# KiCad board output.Panel_R0.5.1_300x300_2layer_step1_Modified_1and5_only.kicad_pcb (continued)
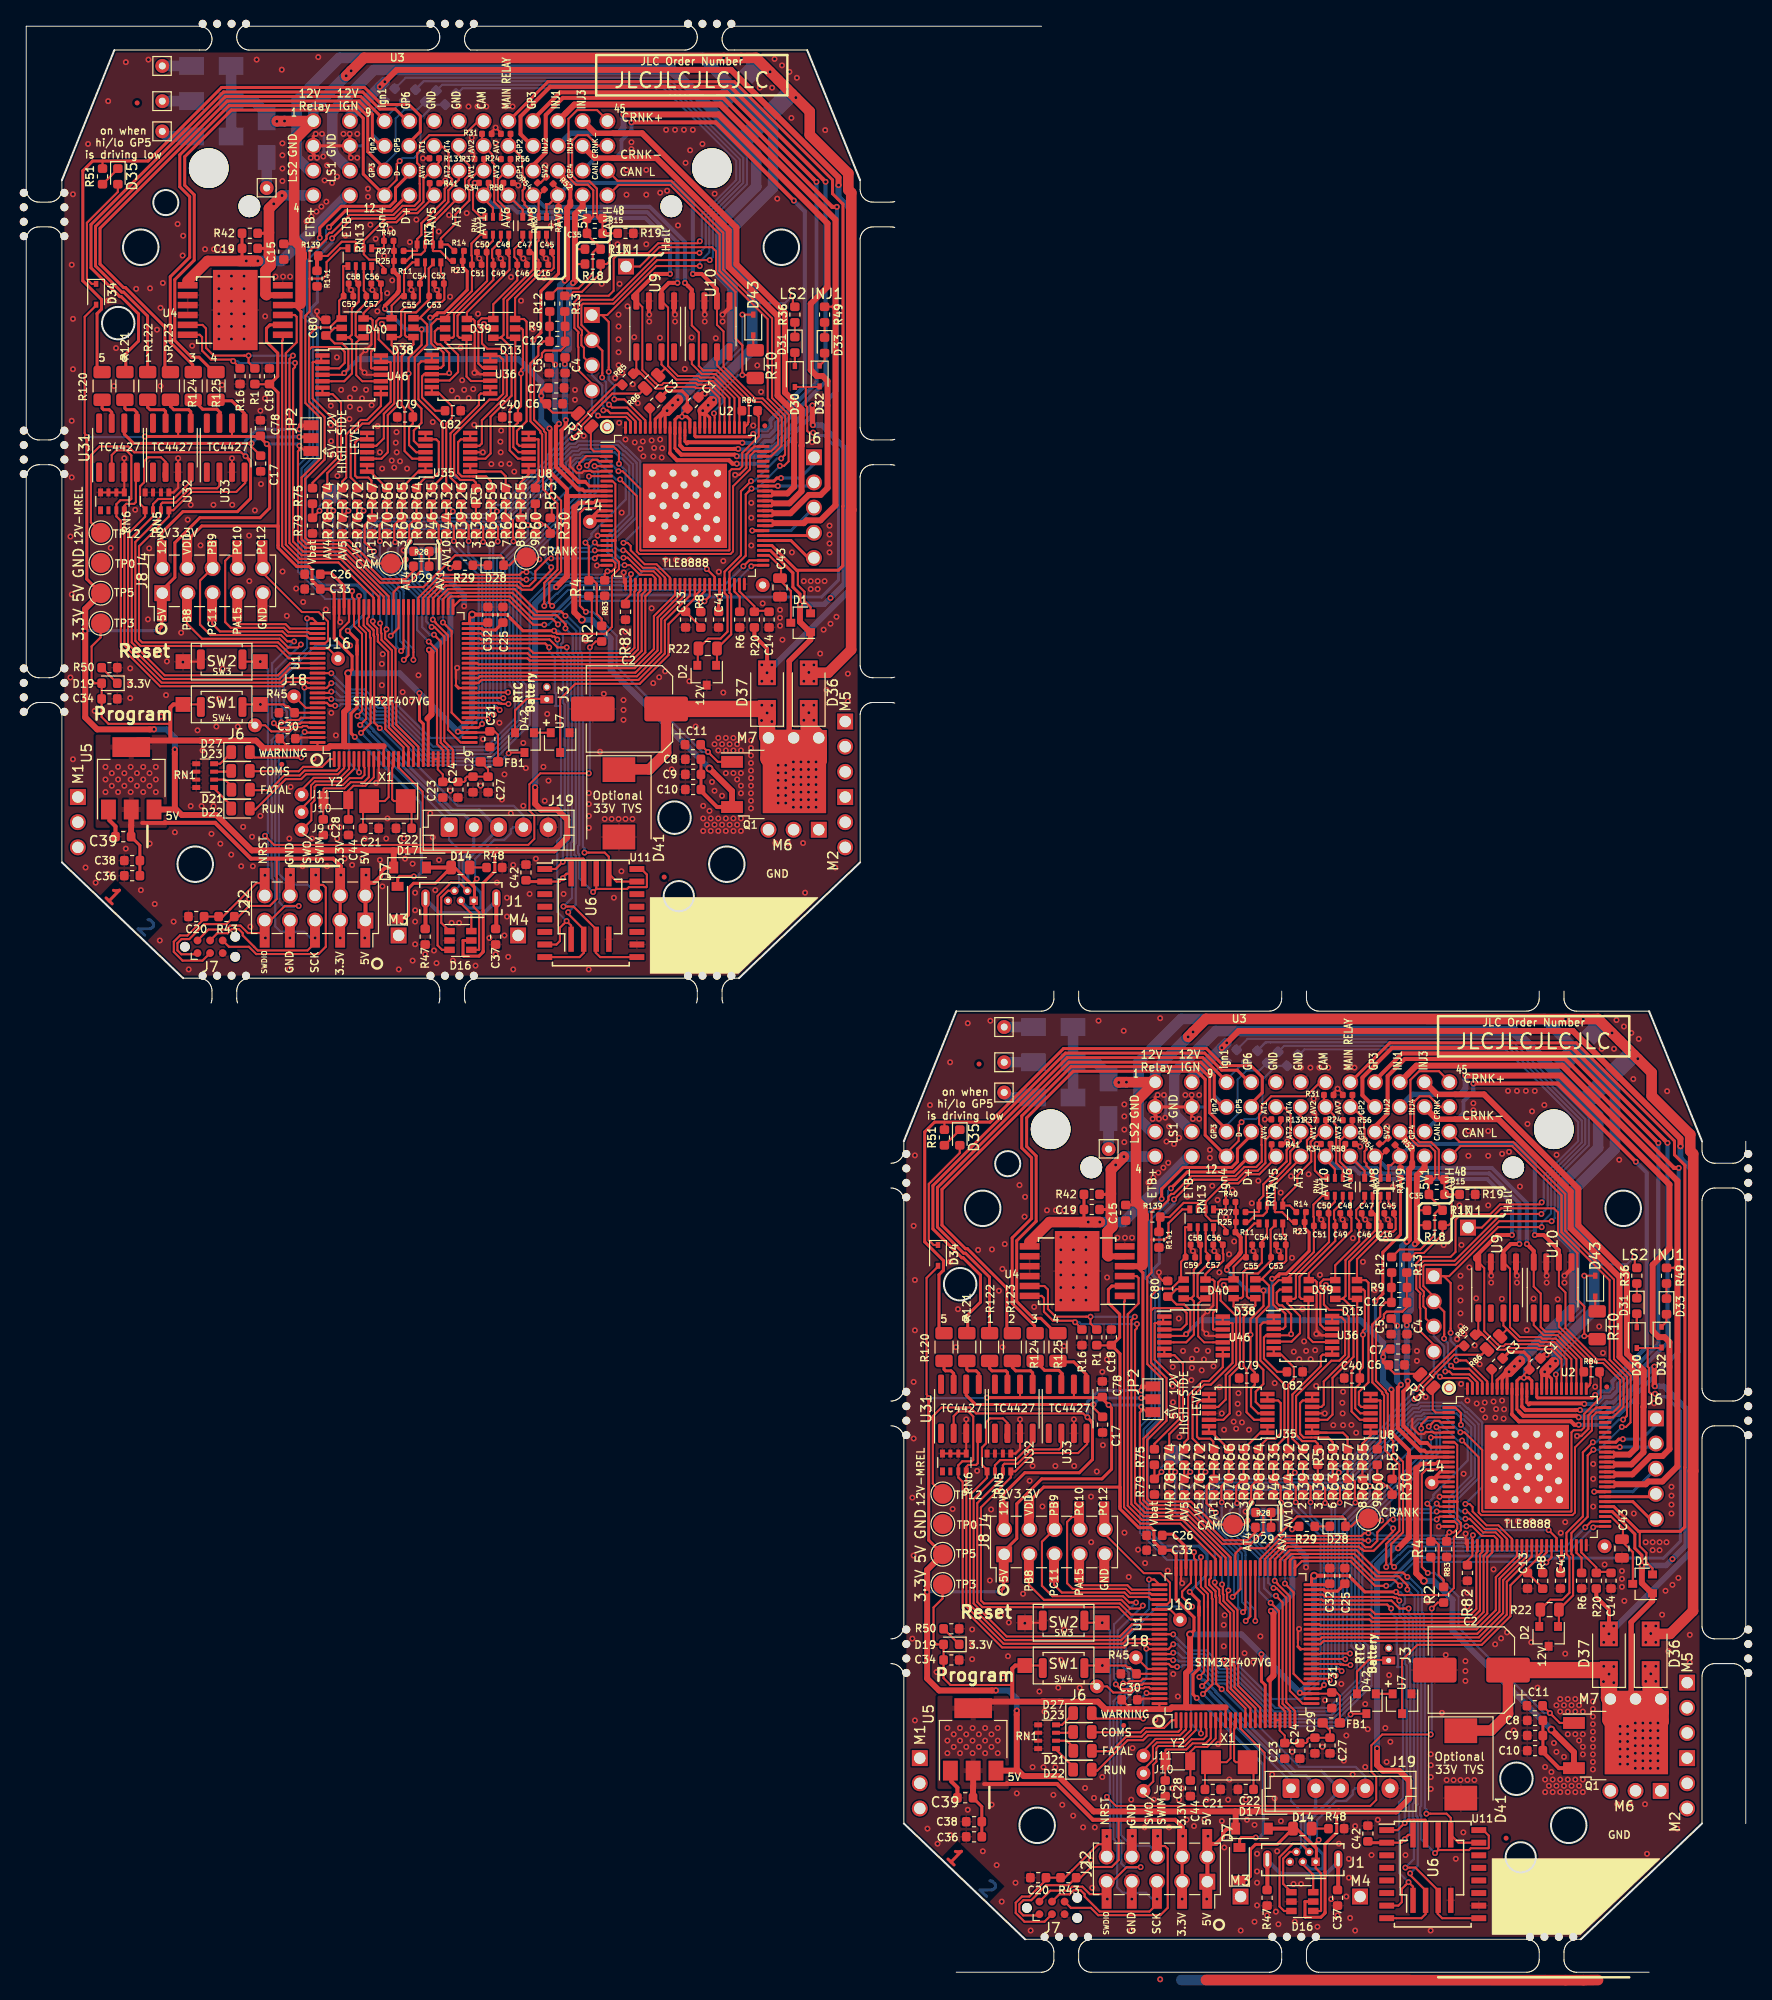
[diagram p0: board, top side]
## Routing (per net, layer and track width the routed paths; a pad name or vN(x,y) marks a point on that pad's centre or on a via; arc(x,y) is an arc through that point) (continued)
  Top w1.067: v1(149.7,60.6) v1(150.8,61.7) ; v1(64.7,157.6) v1(65.8,158.7)
  Bottom w0.406: D15#2.2 158.1,88.5 157.4,87.8 ; 72.4,184.8 73.1,185.5 D15.2
  Bottom w1.067: 117.68,84.83 115.98,86.53 115.98,86.73 115.9,86.8 115.9,90.8 120.09,94.99 150.21,94.99 158.7,86.5 158.7,83.2 155.1,79.6 155.1,74.3 156.31,73.09 156.31,67.21 v1(149.7,60.6) ; v1(64.7,157.6) 71.31,164.21 71.31,170.09 70.1,171.3 70.1,176.6 73.7,180.2 73.7,183.5 65.21,191.99 35.09,191.99 30.9,187.8 30.9,183.8 30.98,183.73 30.98,183.53 32.68,181.83
  vias: v1(65.25,158.15) v1(150.25,61.15)
/LS2: length 250.5
  Top w0.216: v1(162.35,72.2) 162.4,72.15 162.4,71.09 ; v1(77.35,169.2) 77.4,169.15 77.4,168.09
  Top w0.305: v1(153.3,60.6) 153,60.3 U2#2.85 ; v1(153.3,60.6) 153.5,60.4 U2#2.84 ; v1(153.3,60.6) 154,59.9 U2#2.83 ; U2.85 68,157.3 v1(68.3,157.6) ; v1(68.3,157.6) 68.5,157.4 U2.84 ; v1(68.3,157.6) 69,156.9 U2.83
  Top w1.067: v1(153.3,60.6) 154.21,61.51 154.21,61.55 ; 69.21,158.55 69.21,158.51 v1(68.3,157.6)
  Bottom w0.216: 158.3,71.45 161.6,71.45 v1(162.35,72.2) ; v1(77.35,169.2) 76.6,168.45 73.3,168.45
  Bottom w0.406: 156.4,93.1 155.69,92.39 D20#2.2 ; 71.4,190.1 70.69,189.39 D20.2
  Bottom w1.067: 154.5,61.8 154.5,63 158.3,66.8 158.3,73.2 156.4,75.1 156.4,79.1 160.4,83.1 160.4,89.1 156.4,93.1 153.31,96.21 116.61,96.21 112.3,91.9 112.3,86.13 113.62,84.81 ; v1(153.3,60.6) v1(154.4,61.7) ; 116.61,-0.79 153.31,-0.79 ; v1(68.3,157.6) v1(69.4,158.7) ; 28.62,181.81 27.3,183.13 27.3,188.9 31.61,193.21 68.31,193.21 71.4,190.1 75.4,186.1 75.4,180.1 71.4,176.1 71.4,172.1 73.3,170.2 73.3,163.8 69.5,160 69.5,158.8
  vias: v1(68.85,158.15) v1(153.85,61.15)
/MAIN_RELAY: length 183.9
  Top w0.216: 162.78,44.5 162.9,44.38 162.9,43 163.57,42.33 163.57,41.38 164.19,40.77 D1#2.2 ; 77.78,141.5 77.9,141.38 77.9,140 78.57,139.33 78.57,138.38 79.19,137.77 D1.2
  Top w0.305: U2#2.55 160.28,47 162.78,44.5 167,44.5 167.44,44.94 167.44,50.94 167.45,50.95 167.45,81.45 166.4,82.5 166.4,83.89 156.5,93.8 137.67,93.8 133.75,89.89 ; 48.75,186.89 52.67,190.8 71.5,190.8 81.4,180.89 81.4,179.5 82.45,178.45 82.45,147.95 82.44,147.94 82.44,141.94 82,141.5 77.78,141.5 75.28,144 U2.55
/MCU/BOOT0: length 15.7
  Top w0.203: SW1#2.2 106.83,30.96 ; SW1.2 21.83,127.96
  Top w0.216: SW1#2.2 110.98,30.96 111.18,30.75 111.46,30.75 R45#2.1 ; U1#2.94 112.18,30.12 112.18,30.12 ; U1.94 27.18,127.12 27.18,127.12 ; SW1.2 25.98,127.96 26.18,127.75 26.46,127.75 R45.1
  vias: v1(23.64,127.96) v1(108.64,30.96)
/MCU/PA10: length 78
  Top w0.216: v1(118.8,28.09) 119.76,29.05 119.76,37.67 119.7,37.73 119.7,38.3 119.6,38.4 119.59,38.4 119.06,38.93 119.06,39.96 119.09,39.99 U1#2.69 ; J1#2.4 127.57,12.15 126.9,11.47 126.9,8.92 D16#2.1 ; D16.1 41.9,105.92 41.9,108.47 42.57,109.15 J1.4 ; v1(33.8,125.09) 34.76,126.05 34.76,134.67 34.7,134.73 34.7,135.3 34.6,135.4 34.59,135.4 34.06,135.93 34.06,136.96 34.09,136.99 U1.69
  Bottom w0.203: 126.42,20.47 127.69,19.2 J19#2.1 ; 41.42,117.47 42.69,116.2 J19.1
  Bottom w0.216: v1(118.8,28.09) 126.42,20.47 ; J19#2.1 127.69,17.29 128.71,16.28 128.71,12.62 J1#2.4 ; J19.1 42.69,114.29 43.71,113.28 43.71,109.62 J1.4 ; v1(33.8,125.09) 41.42,117.47
/MCU/PA13: length 101.5
  Top w0.216: 109.08,7.89 107.38,7.89 106.63,8.64 105.58,8.64 105.18,8.23 103.39,8.23 J7#2.2 ; v1(112.51,10.61) 111.1,10.61 109.08,8.59 ; v1(117.7,36.9) 116.7,37.87 116.7,38.42 117.59,39.31 U1#2.72 ; v1(27.51,107.61) 26.1,107.61 24.08,105.59 ; 24.08,104.89 22.38,104.89 21.63,105.64 20.58,105.64 20.18,105.23 18.39,105.23 J7.2 ; v1(32.7,133.9) 31.7,134.87 31.7,135.42 32.59,136.31 U1.72
  Bottom w0.216: 111.68,30.39 111.63,30.43 ; 111.68,30.39 111,31.06 111,33.7 114.2,36.9 v1(117.7,36.9) ; 111.68,30.39 111.68,28.74 111.46,28.52 111.45,28.52 110.14,27.22 110.14,13.64 110.56,13.22 110.56,10.98 111,10.54 112.01,10.54 112.08,10.61 v1(112.51,10.61) ; 26.68,127.39 26.63,127.43 ; 26.68,127.39 26,128.06 26,130.7 29.2,133.9 v1(32.7,133.9) ; 26.68,127.39 26.68,125.74 26.46,125.52 26.45,125.52 25.14,124.22 25.14,110.64 25.56,110.22 25.56,107.98 26,107.54 27.01,107.54 27.08,107.61 v1(27.51,107.61)
  vias: v1(24.15,104.39) v1(109.15,7.39)
/MCU/PA14: length 106.4
  Top w0.216: U1#2.76 113.89,39.64 v1(113.36,39.64) ; J7#2.4 104.29,7.87 105.34,7.87 105.34,7.88 105.74,8.27 106.46,8.27 106.86,7.88 106.86,7.65 108,6.5 108,6.49 108.37,6.13 113.4,6.13 114.16,6.89 114.16,7.89 ; v1(28.36,136.64) 28.89,136.64 U1.76 ; 29.16,104.89 29.16,103.89 28.4,103.13 23.37,103.13 23.01,103.49 23.01,103.5 21.86,104.65 21.86,104.88 21.46,105.27 20.74,105.27 20.34,104.88 20.34,104.87 19.29,104.87 J7.4
  Bottom w0.216: 114.14,6.94 114.14,6.94 114.16,6.96 v1(114.16,7.39) ; 114.14,6.94 114.16,6.94 ; 114.14,6.94 113.06,8.02 110.67,8.02 110.14,8.55 110.14,13.08 109.77,13.45 109.77,27.37 111.29,28.89 111.31,28.89 111.31,30.23 110.56,30.98 110.56,33.87 113.36,36.67 v1(113.36,39.64) ; v1(28.36,136.64) 28.36,133.67 25.56,130.87 25.56,127.98 26.31,127.23 26.31,125.89 26.29,125.89 24.77,124.37 24.77,110.45 25.14,110.08 25.14,105.55 25.67,105.02 28.06,105.02 29.14,103.94 ; v1(29.16,104.39) 29.16,103.96 29.14,103.94 29.14,103.94 ; 29.14,103.94 29.16,103.94
/MCU/PB2-BOOT1: length 3
  Top w0.216: U1#2.37 128.65,32.62 ; U1.37 43.65,129.62
  Top w0.305: NT2#2.2 128.65,32.62 128.65,32.62 ; NT2.2 43.65,129.62 43.65,129.62
/MCU/PB7: length 5.6
  Top w0.203: U1#2.93 113.22,30.62 112.07,31.77 ; 27.07,128.77 28.22,127.62 U1.93
/MCU/PB10: length 96
  Top w0.216: U1#2.47 130.8,37.62 130.9,37.51 137.83,37.51 138.63,36.71 v1(139.56,36.71) ; U11#2.9 142.94,5.46 142.5,5.9 142.5,7.21 U6#2.3 142.55,8.25 140.24,10.56 v1(139.24,10.56) ; v1(54.56,133.71) 53.63,133.71 52.83,134.51 45.9,134.51 45.8,134.62 U1.47 ; v1(54.24,107.56) 55.24,107.56 57.55,105.25 U6.3 57.5,104.21 57.5,102.9 57.94,102.46 U11.9
  Bottom w0.216: v1(139.24,10.56) 140.1,11.43 140.1,15.49 139.98,15.61 139.98,16.97 140.1,17.09 140.1,31.26 139.98,31.38 139.98,35.71 139.56,36.13 v1(139.56,36.71) ; v1(54.24,107.56) 55.1,108.43 55.1,112.49 54.98,112.61 54.98,113.97 55.1,114.09 55.1,128.26 54.98,128.38 54.98,132.71 54.56,133.13 v1(54.56,133.71)
/MCU/PB13: length 104.7
  Top w0.216: U1#2.52 127.59,41.56 127.87,41.85 128.63,41.85 128.63,41.85 133.85,41.85 136.1,39.6 138.11,39.6 v1(138.69,39.03) ; 142.55,12.38 142.59,12.33 145.66,12.33 145.84,12.51 147.61,12.51 147.66,12.57 147.66,13.78 147.1,14.34 U11#2.16 ; 142.55,12.38 U6#2.6 ; 142.55,12.38 142.55,12.34 v1(142.23,12.02) ; v1(57.23,109.02) 57.55,109.34 57.55,109.38 ; 57.55,109.38 U6.6 ; 57.55,109.38 57.59,109.33 60.66,109.33 60.84,109.51 62.61,109.51 62.66,109.57 62.66,110.78 62.1,111.34 U11.16 ; U1.52 42.59,138.56 42.87,138.85 43.63,138.85 43.63,138.85 48.85,138.85 51.1,136.6 53.11,136.6 v1(53.69,136.03)
  Bottom w0.216: v1(142.23,12.02) 140.84,13.42 140.84,15.8 140.72,15.91 140.72,16.67 140.83,16.78 140.83,31.57 140.72,31.68 140.72,36.01 140.53,36.2 140.53,38.37 139.57,39.33 138.99,39.33 v1(138.69,39.03) ; v1(57.23,109.02) 55.84,110.42 55.84,112.8 55.72,112.91 55.72,113.67 55.83,113.78 55.83,128.57 55.72,128.68 55.72,133.01 55.53,133.2 55.53,135.37 54.57,136.33 53.99,136.33 v1(53.69,136.03)
/MCU/PB14: length 107
  Top w0.216: U1#2.53 127.09,41.59 127.72,42.22 128.45,42.22 128.46,42.22 134.08,42.22 136.33,39.97 138.54,39.97 139.44,39.07 v1(139.44,38.63) ; v1(139.72,9.98) 139.72,9.82 141.28,8.25 U6#2.2 141.28,5.87 140.86,5.46 U11#2.8 ; v1(54.44,135.63) 54.44,136.07 53.54,136.97 51.33,136.97 49.08,139.22 43.46,139.22 43.45,139.22 42.72,139.22 42.09,138.59 U1.53 ; v1(54.72,106.98) 54.72,106.82 56.28,105.25 U6.2 56.28,102.87 55.86,102.46 U11.8
  Bottom w0.216: v1(139.44,38.63) 140.16,37.9 140.16,36.05 140.35,35.86 140.35,31.53 140.47,31.42 140.47,16.94 140.35,16.82 140.35,15.76 140.47,15.64 140.47,10.74 v1(139.72,9.98) ; v1(54.44,135.63) 55.16,134.9 55.16,133.05 55.35,132.86 55.35,128.53 55.47,128.42 55.47,113.94 55.35,113.82 55.35,112.76 55.47,112.64 55.47,107.74 v1(54.72,106.98)
/MCU/PB15: length 95
  Top w0.216: v1(139.44,39.9) 139,40.34 136.56,40.34 134.31,42.59 128.32,42.59 128.32,42.59 127.57,42.59 126.59,41.61 U1#2.54 ; v1(141.36,16) 143.4,16 143.82,15.58 U6#2.5 144.61,13.08 U11#2.15 ; U11.15 59.61,110.08 U6.5 58.82,112.58 58.4,113 v1(56.36,113) ; v1(54.44,136.9) 54,137.34 51.56,137.34 49.31,139.59 43.32,139.59 43.32,139.59 42.57,139.59 41.59,138.61 U1.54
  Bottom w0.216: v1(139.44,39.9) 139.6,39.9 140.9,38.6 140.9,36.35 141.09,36.17 141.09,31.83 141.2,31.72 141.2,16.58 141.36,16.43 v1(141.36,16) ; v1(56.36,113) 56.36,113.43 56.2,113.58 56.2,128.72 56.09,128.83 56.09,133.17 55.9,133.35 55.9,135.6 54.6,136.9 v1(54.44,136.9)
/MCU/PC7: length 89.9
  Top w0.216: R16#2.1 106.58,64.92 105.74,65.76 103.66,65.76 102.75,66.67 102.75,68.02 102.52,68.26 U4#2.12 ; U1#2.64 121.59,41.87 117.07,46.39 112.95,46.39 111.94,47.39 111.94,64.81 112.13,65 v1(112.13,65.43) ; U4.12 17.52,165.26 17.75,165.02 17.75,163.67 18.66,162.76 20.74,162.76 21.58,161.92 R16.1 ; v1(27.13,162.43) 27.13,162 26.94,161.81 26.94,144.39 27.95,143.39 32.07,143.39 36.59,138.87 U1.64
  Bottom w0.216: v1(112.13,65.43) 106.5,65.43 106.32,65.6 v1(105.9,65.6) ; v1(27.13,162.43) 21.5,162.43 21.32,162.6 v1(20.9,162.6)
/MCU/PC9: length 75
  Top w0.216: U4#2.3 112.12,70.26 112.3,70.07 112.3,67.5 111.21,66.41 111.21,47.09 112.64,45.65 116.77,45.65 120.59,41.83 U1#2.66 ; U1.66 35.59,138.83 31.77,142.65 27.64,142.65 26.21,144.09 26.21,163.41 27.3,164.5 27.3,167.07 27.12,167.26 U4.3
/MCU/PC13: length 24.1
  Top w0.203: 112.83,18.31 113.79,19.26 113.79,20.94 114.1,21.26 114.1,22.63 114.31,22.84 116.98,22.84 117.66,23.52 118.83,23.52 119.15,23.83 119.15,24.57 119.09,24.64 U1#2.7 ; 27.83,115.31 28.79,116.26 28.79,117.94 29.1,118.26 29.1,119.63 29.31,119.84 31.98,119.84 32.66,120.52 33.83,120.52 34.15,120.83 34.15,121.57 34.09,121.64 U1.7
/MCU/PD0: length 5.1
  Top w0.203: 116.51,35.58 115.48,36.62 U1#2.81 ; 31.51,132.58 30.48,133.62 U1.81
/MCU/PE0: length 13.6
  Top w0.203: U1#2.97 113.5,28.62 113.35,28.77 112.93,28.77 112.81,28.65 112,28.65 111.58,28.23 109.74,28.23 109.12,28.85 108.13,28.85 ; 23.13,125.85 24.12,125.85 24.74,125.23 26.58,125.23 27,125.65 27.81,125.65 27.93,125.77 28.35,125.77 28.5,125.62 U1.97
/MCU/PE5: length 14.2
  Top w0.203: 112.83,21.86 112.83,22.37 114.01,23.55 116.68,23.55 117.59,24.45 U1#2.4 ; U1.4 32.59,121.45 31.68,120.55 29.01,120.55 27.83,119.37 27.83,118.86
/MCU/PE6: length 18.2
  Top w0.203: 112.83,20.09 112.83,20.49 113.75,21.41 113.75,22.78 114.16,23.19 116.83,23.19 118.09,24.45 U1#2.5 ; 27.83,117.09 27.83,117.49 28.75,118.41 28.75,119.78 29.16,120.19 31.83,120.19 33.09,121.45 U1.5
/MCU/shield: length 29.6
  Top w0.406: J1#2.6 132.45,8.37 C37#2.1 ; 125.28,8.17 125.3,8.2 J1#2.6 ; J1.6 47.45,105.37 C37.1 ; J1.6 40.3,105.2 40.28,105.17
  Bottom w0.406: J1#2.6 132.45,11.13 131.23,9.91 126.69,9.91 125.3,11.3 J1#2.6 ; J1.6 40.3,108.3 41.69,106.91 46.23,106.91 47.45,108.13 J1.6
/MCU/USB_VBUS: length 121.4
  Top w0.203: v1(130.48,13.36) 130.18,13.06 130.18,12.56 130.25,12.49 ; v1(45.48,110.36) 45.18,110.06 45.18,109.56 45.25,109.49
  Top w0.216: J1#2.1 130.18,10.51 130.72,9.97 130.72,6.23 130.68,6.18 D16#2.4 ; v1(120.69,28.57) 120.13,29.13 120.13,37.82 120.07,37.88 NT1#2.2 ; v1(35.69,125.57) 35.13,126.13 35.13,134.82 35.07,134.88 NT1.2 ; J1.1 45.18,107.51 45.72,106.97 45.72,103.23 45.68,103.18 D16.4
  Top w0.305: J1#2.1 130.25,11.22 130.25,12.49 128.25,14.5 D14#2.2 126.3,12.9 124.1,12.9 123.6,12.4 123.6,9.7 123.25,9.35 122.5,9.35 ; J1.1 45.25,108.22 45.25,109.49 43.25,111.5 D14.2 41.3,109.9 39.1,109.9 38.6,109.4 38.6,106.7 38.25,106.35 37.5,106.35
  Top w0.406: D14#2.2 D17#2.2 ; D14.2 D17.2
  Bottom w0.203: 130.32,14.5 130.32,13.52 v1(130.48,13.36) ; v1(45.48,110.36) 45.32,110.52 45.32,111.5
  Bottom w0.216: v1(120.69,28.57) 128.54,20.72 134.22,20.72 135.19,19.75 J19#2.4 134.17,18.56 133.91,18.31 133.91,17.93 133.28,17.29 132.26,17.29 130.32,15.35 130.32,14.5 ; 45.32,111.5 45.32,112.35 47.26,114.29 48.28,114.29 48.91,114.93 48.91,115.31 49.17,115.56 J19.4 50.19,116.75 49.22,117.72 43.54,117.72 v1(35.69,125.57)
/MCU/Vrtc: length 11.7
  Top w0.216: D42#2.2 134.35,30.35 135.52,31.52 137.47,31.52 ; 52.47,128.52 50.52,128.52 49.35,127.35 D42.2
/MCU/Vrtcc: length 57
  Top w0.216: v1(118.6,24.1) 118.59,24.11 U1#2.6 ; v1(133.7,26.01) 133.79,26.1 D42#2.3 ; v1(33.6,121.1) 33.59,121.11 U1.6 ; D42.3 48.79,123.1 v1(48.7,123.01)
  Bottom w0.216: v1(133.7,26.01) 132.53,24.85 125.33,24.85 121.05,29.13 119.9,29.13 118.53,30.5 118,30.5 117.6,30.1 117.6,25.1 v1(118.6,24.1) ; v1(33.6,121.1) 32.6,122.1 32.6,127.1 33,127.5 33.53,127.5 34.9,126.13 36.05,126.13 40.33,121.85 47.53,121.85 v1(48.7,123.01)
/PA15: length 20.2
  Top w0.216: U1#2.77 111.63,38.62 111.18,39.06 106.36,39.06 106.3,39.11 J4#2.7 ; J4.7 21.3,136.11 21.36,136.06 26.18,136.06 26.63,135.62 U1.77
/PB8: length 54.8
  Top w0.216: J4#2.3 101.22,39.11 102.75,37.59 110.57,37.59 111.45,36.7 112.43,36.7 v1(112.73,37) ; U1#2.95 112.74,29.62 112.51,29.38 111.4,29.38 111.17,29.15 v1(110.75,29.15) ; J4.3 16.22,136.11 17.75,134.59 25.57,134.59 26.45,133.7 27.43,133.7 v1(27.73,134) ; U1.95 27.74,126.62 27.51,126.38 26.4,126.38 26.17,126.15 v1(25.75,126.15)
  Bottom w0.216: v1(110.75,29.15) 110.75,29.58 110.19,30.14 110.19,34.47 v1(112.73,37) ; v1(27.73,134) 25.19,131.47 25.19,127.14 25.75,126.58 v1(25.75,126.15)
/PB9: length 67.2
  Top w0.203: 103.81,44.72 103.76,44.77 J4#2.6 ; 18.81,141.72 18.76,141.77 J4.6
  Top w0.216: U1#2.96 113.61,29.12 113.6,29.13 112.78,29.13 112.66,29.01 111.85,29.01 111.43,28.59 110.47,28.59 v1(110,29.06) ; 103.81,44.72 102.54,43.45 102.54,39.01 103.6,37.95 110.72,37.95 111.36,37.32 v1(112.04,37.32) ; 103.82,45.9 103.82,44.1 ; 18.81,141.72 17.54,140.45 17.54,136.01 18.6,134.95 25.72,134.95 26.36,134.32 v1(27.04,134.32) ; v1(25,126.06) 25.47,125.59 26.43,125.59 26.85,126.01 27.66,126.01 27.78,126.13 28.6,126.13 28.61,126.12 U1.96 ; 18.82,142.9 18.82,141.1
  Bottom w0.216: v1(110,29.06) 110,29.48 109.82,29.66 109.82,35.1 v1(112.04,37.32) ; v1(27.04,134.32) 24.82,132.1 24.82,126.66 25,126.48 v1(25,126.06)
/PC10: length 34.8
  Top w0.216: U1#2.78 113.61,38.12 113.48,38.25 111.47,38.25 111.03,38.69 105.66,38.69 105.08,39.26 105.08,45.45 105.59,45.95 J4#2.8 ; J4.8 20.59,142.95 20.08,142.45 20.08,136.26 20.66,135.69 26.03,135.69 26.47,135.25 28.48,135.25 28.61,135.12 U1.78
/PC11: length 26.1
  Top w0.216: U1#2.79 113.54,37.62 113.28,37.88 111.32,37.88 110.88,38.32 104.55,38.32 103.76,39.11 J4#2.5 ; J4.5 18.76,136.11 19.55,135.32 25.88,135.32 26.32,134.88 28.28,134.88 28.54,134.62 U1.79
/PC12: length 26.9
  Top w0.203: J4#2.10 108.84,44.77 108.89,44.72 108.89,44.22 112.83,40.28 114.51,40.28 115.47,39.33 115.47,37.4 115.18,37.12 U1#2.80 ; U1.80 30.18,134.12 30.47,134.4 30.47,136.33 29.51,137.28 27.83,137.28 23.89,141.22 23.89,141.72 23.84,141.77 J4.10
/PD12: length 132.5
  Top w0.203: v1(145.4,45.02) 145.97,45.02 146.95,44.04 148.18,44.04 148.5,43.72 U2#2.32 ; v1(60.4,142.02) 60.97,142.02 61.95,141.04 63.18,141.04 63.5,140.72 U2.32
  Top w0.216: v1(124.09,35.45) 124.09,35.45 U1#2.59 ; v1(39.09,132.45) 39.09,132.45 U1.59
  Bottom w0.203: 124.09,36.24 124.09,36.54 123.1,37.53 123.1,42.1 123.1,42.1 ; 38.1,139.1 38.1,139.1 38.1,134.53 39.09,133.54 39.09,133.24
  Bottom w0.216: v1(145.4,45.02) 144.98,45.02 143.67,46.33 143.67,47.94 145.88,50.16 145.88,55.03 145.11,55.8 145,55.8 144.41,56.39 141.1,56.39 140.87,56.17 140.29,56.17 139.46,55.34 139.46,54.96 133.17,48.68 120.7,48.68 119.53,47.5 119.53,46 123.1,42.43 123.1,42.1 ; v1(124.09,35.45) 124.09,36.24 ; v1(39.09,132.45) 39.09,133.24 ; 38.1,139.1 38.1,139.43 34.53,143 34.53,144.5 35.7,145.68 48.17,145.68 54.46,151.96 54.46,152.34 55.29,153.17 55.87,153.17 56.1,153.39 59.41,153.39 60,152.8 60.11,152.8 60.88,152.03 60.88,147.16 58.67,144.94 58.67,143.33 59.98,142.02 v1(60.4,142.02)
/PD13: length 135.2
  Top w0.203: v1(145.3,45.76) 145.73,45.76 147.09,44.39 148.34,44.39 149,43.73 U2#2.33 ; U2.33 64,140.73 63.34,141.39 62.09,141.39 60.73,142.76 v1(60.3,142.76)
  Top w0.216: U1#2.60 123.59,35.92 v1(123.12,35.45) ; v1(38.12,132.45) 38.59,132.92 U1.60
  Bottom w0.203: 122.74,41.49 122.74,42.26 121.83,43.17 121.83,43.17 ; 37.74,138.49 37.74,139.26 36.83,140.17 36.83,140.17
  Bottom w0.216: 121.83,43.17 119.16,45.85 119.16,47.68 120.52,49.04 133.02,49.04 139.09,55.12 139.09,55.49 140.14,56.54 140.72,56.54 140.94,56.76 144.56,56.76 145.16,56.17 145.26,56.17 146.25,55.18 146.25,50 144.13,47.88 144.13,46.5 144.87,45.76 v1(145.3,45.76) ; 122.74,41.49 122.74,37.36 123.42,36.68 123.42,35.75 v1(123.12,35.45) ; 37.74,138.49 37.74,134.36 38.42,133.68 38.42,132.75 v1(38.12,132.45) ; 36.83,140.17 34.16,142.85 34.16,144.68 35.52,146.04 48.02,146.04 54.09,152.12 54.09,152.49 55.14,153.54 55.72,153.54 55.94,153.76 59.56,153.76 60.16,153.17 60.26,153.17 61.25,152.18 61.25,147 59.13,144.88 59.13,143.5 59.87,142.76 v1(60.3,142.76)
/PD14: length 133.3
  Top w0.203: U2#2.34 149.5,43.74 148.49,44.75 147.24,44.75 145.48,46.51 v1(145.27,46.51) ; U2.34 64.5,140.74 63.49,141.75 62.24,141.75 60.48,143.51 v1(60.27,143.51)
  Top w0.216: v1(122.84,36.34) 123.09,36.58 U1#2.61 ; U1.61 38.09,133.58 v1(37.84,133.34)
  Bottom w0.216: v1(122.84,36.34) 122.36,36.83 122.36,42.13 118.79,45.7 118.79,47.83 120.37,49.41 132.87,49.41 138.72,55.27 138.72,55.64 139.99,56.91 140.57,56.91 140.79,57.13 144.72,57.13 145.31,56.54 145.41,56.54 146.62,55.33 146.62,49.85 144.5,47.73 144.5,46.85 144.84,46.51 v1(145.27,46.51) ; v1(37.84,133.34) 37.36,133.83 37.36,139.13 33.79,142.7 33.79,144.83 35.37,146.41 47.87,146.41 53.72,152.27 53.72,152.64 54.99,153.91 55.57,153.91 55.79,154.13 59.72,154.13 60.31,153.54 60.41,153.54 61.62,152.33 61.62,146.85 59.5,144.73 59.5,143.85 59.84,143.51 v1(60.27,143.51)
/PD15: length 128.9
  Top w0.203: U2#2.35 150,43.74 148.63,45.11 147.43,45.11 146.02,46.51 146.02,46.96 145.72,47.26 v1(145.29,47.26) ; v1(60.29,144.26) 60.72,144.26 61.02,143.96 61.02,143.51 62.43,142.11 63.63,142.11 65,140.74 U2.35
  Top w0.216: U1#2.62 122.59,38.68 v1(121.8,37.89) ; U1.62 37.59,135.68 v1(36.8,134.89)
  Bottom w0.216: v1(145.29,47.26) 146.99,48.96 146.99,55.48 145.57,56.91 145.5,56.91 144.9,57.5 140.64,57.5 140.41,57.27 139.83,57.27 138.36,55.8 138.36,55.42 132.72,49.78 120.22,49.78 118.38,47.94 118.38,45.59 121.93,42.04 121.93,38.02 v1(121.8,37.89) ; v1(36.8,134.89) 36.93,135.02 36.93,139.04 33.38,142.59 33.38,144.94 35.22,146.78 47.72,146.78 53.36,152.42 53.36,152.8 54.83,154.27 55.41,154.27 55.64,154.5 59.9,154.5 60.5,153.91 60.57,153.91 61.99,152.48 61.99,145.96 v1(60.29,144.26)
/PE1: length 19
  Top w0.216: U1#2.98 113.17,28.12 v1(113.1,28.18) ; v1(112.77,25.6) 108.06,25.6 107.56,26.1 ; 22.56,123.1 23.06,122.6 v1(27.77,122.6) ; v1(28.1,125.18) 28.17,125.12 U1.98
  Bottom w0.216: v1(113.1,28.18) 112.77,27.84 v1(112.77,25.6) ; v1(27.77,122.6) 27.77,124.84 v1(28.1,125.18)
/PE2: length 18.5
  Top w0.216: 107.4,24.28 107.46,24.21 112.51,24.21 112.96,24.66 114.86,24.66 115.65,25.44 U1#2.1 ; 22.4,121.28 22.46,121.21 27.51,121.21 27.96,121.66 29.86,121.66 30.65,122.44 U1.1
/PE3: length 21.8
  Top w0.216: 107.54,22.3 109.56,22.3 111.04,23.79 112.61,23.79 113.1,24.28 116.32,24.28 116.59,24.54 U1#2.2 ; 22.54,119.3 24.56,119.3 26.04,120.79 27.61,120.79 28.1,121.28 31.32,121.28 31.59,121.54 U1.2
/PE4: length 24.4
  Top w0.216: 107.52,20.35 108.13,20.35 111.2,23.42 112.76,23.42 113.25,23.91 116.48,23.91 117.09,24.52 U1#2.3 ; U1.3 32.09,121.52 31.48,120.91 28.25,120.91 27.76,120.42 26.2,120.42 23.13,117.35 22.52,117.35
/RST: length 215.7
  Top w0.203: U1#2.14 122.59,24.59 125.02,22.15 125.02,16.78 126.38,16.78 ; 126.38,16.78 110.02,16.78 v1(109.1,17.7) ; 126.38,16.78 135.69,16.78 136.29,17.39 136.29,19.74 135.8,20.23 135.8,22.9 136.9,24 v1(141.8,24) ; R2#2.2 142.5,37.31 v1(141.9,36.71) ; 106.83,35.28 v1(108.63,35.28) ; 41.38,113.78 25.02,113.78 v1(24.1,114.7) ; 41.38,113.78 40.02,113.78 40.02,119.15 37.59,121.59 U1.14 ; 41.38,113.78 50.69,113.78 51.29,114.39 51.29,116.74 50.8,117.23 50.8,119.9 51.9,121 v1(56.8,121) ; v1(56.9,133.71) 57.5,134.31 R2.2 ; 21.83,132.28 v1(23.63,132.28)
  Top w0.216: U1#2.14 122.59,24.59 ; 103.25,9.34 103.2,9.29 ; 103.25,9.34 102.97,9.34 101.27,7.64 100.52,7.64 99.9,7.01 99.9,5.98 100.78,5.1 102.8,5.1 J7#2.3 ; 103.25,9.34 103.05,9.55 104.85,9.55 105.3,9.99 105.3,10 105.58,10.28 105.59,10.28 108.24,12.93 109.08,12.93 ; 108.89,12.01 109.1,12.01 ; 18.25,106.34 18.05,106.55 19.85,106.55 20.3,106.99 20.3,107 20.58,107.28 20.59,107.28 23.24,109.93 24.08,109.93 ; 18.25,106.34 17.97,106.34 16.27,104.64 15.52,104.64 14.9,104.01 14.9,102.98 15.78,102.1 17.8,102.1 J7.3 ; 18.25,106.34 18.2,106.29 ; U1.14 37.59,121.59 ; 23.89,109.01 24.1,109.01
  Bottom w0.203: v1(141.8,24) 141.9,24.1 v1(141.9,36.71) ; v1(56.8,121) 56.9,121.1 v1(56.9,133.71)
  Bottom w0.216: v1(108.63,35.28) 109.4,34.5 109.4,18 v1(109.1,17.7) 109.4,17.4 109.4,14.01 v1(109.1,13.71) ; v1(24.1,110.71) 24.4,111.01 24.4,114.4 v1(24.1,114.7) 24.4,115 24.4,131.5 v1(23.63,132.28)
/SCK: length 197.5
  Top w0.216: v1(115.8,33.1) 115.32,32.62 U1#2.89 113.13,32.62 v1(113.09,32.66) ; U2#2.7 141.84,54 v1(141.81,53.97) ; J7#2.6 105.47,6.5 107.48,6.5 108.22,5.76 114.5,5.76 115.24,6.5 115.24,12.47 114.97,12.74 114.16,12.74 114.16,12.93 ; v1(56.81,150.97) 56.84,151 U2.7 ; v1(30.8,130.1) 30.32,129.62 U1.89 28.13,129.62 v1(28.08,129.66) ; 29.16,109.93 29.16,109.74 29.97,109.74 30.24,109.47 30.24,103.5 29.5,102.76 23.22,102.76 22.48,103.5 20.47,103.5 J7.6
  Bottom w0.216: 114.22,11.96 113.41,12.77 111.59,12.77 110.5,13.85 110.5,27.06 111.6,28.16 111.61,28.16 113.09,29.63 v1(113.09,32.66) ; v1(141.81,53.97) 141.81,52.67 134.16,45.03 134.16,33.19 134.71,32.64 134.71,29.38 131.65,26.32 125.94,26.32 121.66,30.6 120.51,30.6 119.01,32.1 117.22,32.1 116.22,33.1 v1(115.8,33.1) ; v1(30.8,130.1) 31.22,130.1 32.22,129.1 34.01,129.1 35.51,127.6 36.66,127.6 40.94,123.32 46.65,123.32 49.71,126.38 49.71,129.64 49.16,130.19 49.16,142.03 56.81,149.67 v1(56.81,150.97) ; 29.22,108.96 28.41,109.77 26.59,109.77 25.5,110.85 25.5,124.06 26.6,125.16 26.61,125.16 28.08,126.63 v1(28.08,129.66)
  vias: v1(29.23,110.74) v1(114.23,13.74)
/SI: length 111.6
  Top w0.216: v1(115.79,31.5) 115.67,31.62 U1#2.91 ; U2#2.5 142.39,55 v1(142.37,55.01) ; v1(30.79,128.5) 30.67,128.62 U1.91 ; v1(57.37,152.01) 57.39,152 U2.5
  Bottom w0.216: v1(142.37,55.01) 142.75,54.64 142.75,52.57 134.9,44.72 134.9,33.5 135.45,32.95 135.45,29.08 131.96,25.59 125.64,25.59 121.36,29.87 120.2,29.87 118.7,31.37 116.34,31.37 116.21,31.5 v1(115.79,31.5) ; v1(57.37,152.01) 57.75,151.64 57.75,149.57 49.9,141.72 49.9,130.5 50.45,129.95 50.45,126.08 46.96,122.59 40.64,122.59 36.36,126.87 35.2,126.87 33.7,128.37 31.34,128.37 31.21,128.5 v1(30.79,128.5)
/SO: length 113.3
  Top w0.216: v1(141.6,55.08) 142.17,55.65 142.67,55.65 142.82,55.5 U2#2.4 ; U1#2.90 115.67,32.12 v1(115.8,32.25) ; v1(30.8,129.25) 30.67,129.12 U1.90 ; v1(56.6,152.08) 57.17,152.65 57.67,152.65 57.82,152.5 U2.4
  Bottom w0.216: v1(115.8,32.25) 116.22,32.25 116.74,31.74 118.85,31.74 120.36,30.23 121.51,30.23 125.79,25.95 131.81,25.95 135.08,29.23 135.08,32.8 134.53,33.35 134.53,44.87 142.37,52.71 142.37,54.23 142.15,54.45 142.1,54.45 141.6,54.96 v1(141.6,55.08) ; v1(56.6,152.08) 56.6,151.96 57.1,151.45 57.15,151.45 57.37,151.23 57.37,149.71 49.53,141.87 49.53,130.35 50.08,129.8 50.08,126.23 46.81,122.95 40.79,122.95 36.51,127.23 35.36,127.23 33.85,128.74 31.74,128.74 31.22,129.25 v1(30.8,129.25)
/TLE8888-1QK/BAT_STBY: length 16.6
  Top w0.216: D1#2.3 162.2,39.21 162.2,42.39 161.2,43.39 161.2,44.8 160,46 U2#2.53 ; U2.53 75,143 76.2,141.8 76.2,140.39 77.2,139.39 77.2,136.21 D1.3
/TLE8888-1QK/CAN_RX: length 59.4
  Top w0.216: v1(137.3,39) 136.18,39 133.69,41.49 128.78,41.49 U1#2.51 ; U2#2.43 154,41.89 v1(153.47,41.36) ; U2.43 69,138.89 v1(68.47,138.36) ; U1.51 43.78,138.49 48.69,138.49 51.18,136 v1(52.3,136)
  Bottom w0.216: v1(137.3,39) 137.72,39 140.15,41.42 153.41,41.42 v1(153.47,41.36) ; v1(68.47,138.36) 68.41,138.42 55.15,138.42 52.72,136 v1(52.3,136)
/TLE8888-1QK/CAN_TX: length 118.1
  Top w0.216: U1#2.92 115.34,31.12 115.63,30.83 v1(116.18,30.83) ; v1(153.7,44.62) 154.5,43.82 U2#2.44 ; U1.92 30.34,128.12 30.63,127.83 v1(31.18,127.83) ; v1(68.7,141.62) 69.5,140.82 U2.44
  Bottom w0.216: v1(153.7,44.62) 147.43,44.62 146.16,43.35 144.9,43.35 144.9,43.36 137.8,43.36 135.82,41.37 135.82,28.93 132.11,25.22 125.48,25.22 121.2,29.5 120.05,29.5 118.55,31 116.78,31 116.61,30.83 v1(116.18,30.83) ; v1(31.18,127.83) 31.61,127.83 31.78,128 33.55,128 35.05,126.5 36.2,126.5 40.48,122.22 47.11,122.22 50.82,125.93 50.82,138.37 52.8,140.36 59.9,140.36 59.9,140.35 61.16,140.35 62.43,141.62 v1(68.7,141.62)
/TLE8888-1QK/IGN_EN: length 52.5
  Top w0.203: v1(135.49,43.56) 135.07,43.56 134.94,43.69 127.05,43.69 125.09,41.72 U1#2.57 ; v1(146.05,44.11) 146,44.05 U2#2.27 146,42.03 145.5,41.53 R82#2.1 ; v1(50.49,140.56) 50.07,140.56 49.94,140.69 42.05,140.69 40.09,138.72 U1.57 ; v1(61.05,141.11) 61,141.05 U2.27 61,139.03 60.5,138.53 R82.1
  Bottom w0.203: v1(135.49,43.56) 135.92,43.56 136.08,43.72 145.05,43.72 145.05,43.71 145.66,43.71 v1(146.05,44.11) ; v1(50.49,140.56) 50.92,140.56 51.08,140.72 60.05,140.72 60.05,140.71 60.66,140.71 v1(61.05,141.11)
